# KiCad board GPDI_ULX3S_panel.kicad_pcb (continued)
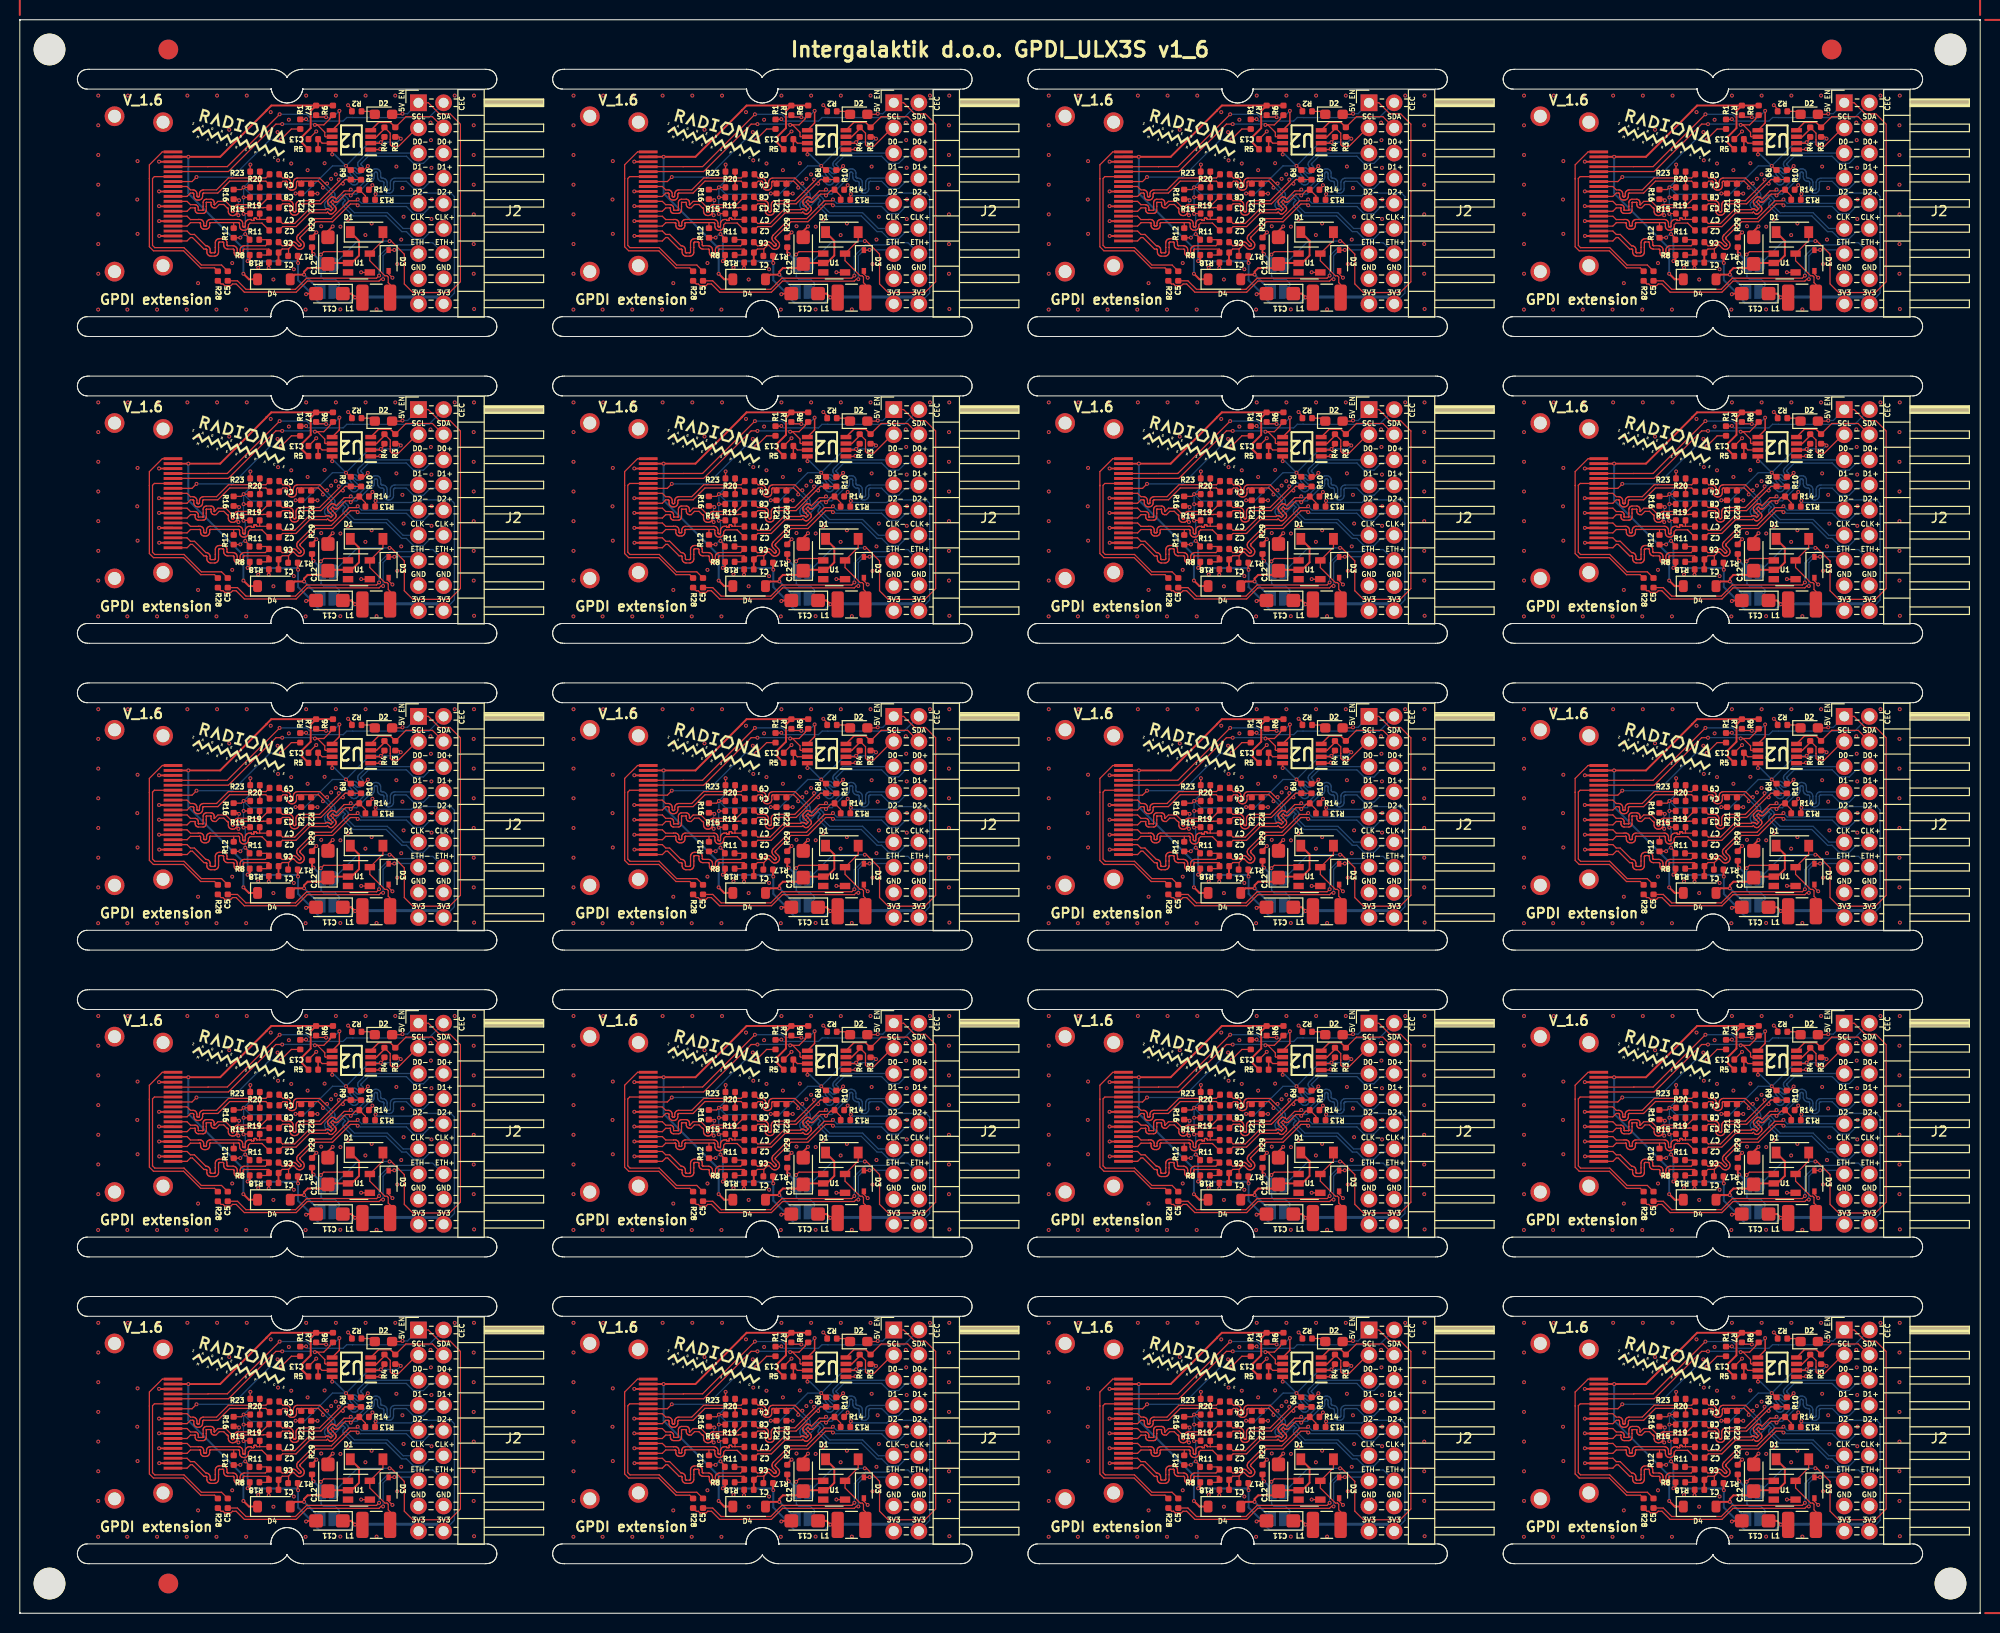
[diagram p0: board, top side]
## Routing (per net, layer and track width the routed paths; a pad name or vN(x,y) marks a point on that pad's centre or on a via; arc(x,y) is an arc through that point) (continued)
Board_13-GPDI_D0-: length 20.9
  Top w0.127: C8#10.1 74.53,49.72 75.18,49.72 75.28,49.71 75.37,49.68 75.45,49.63 75.52,49.56 75.57,49.48 75.6,49.39 75.61,49.29 75.61,48.72 75.62,48.69 75.63,48.66 75.64,48.63 75.66,48.61 75.69,48.59 75.72,48.58 75.75,48.58 75.78,48.58 75.81,48.59 75.84,48.61 75.86,48.63 75.88,48.66 75.89,48.69 75.89,48.72 75.89,49.29 75.9,49.39 75.94,49.48 75.99,49.56 76.06,49.63 76.14,49.68 76.23,49.71 76.33,49.72 78.27,49.72 80.22,51.67 v1(80.22,51.86)
  Bottom w0.127: J2#3.5 83.08,54.53 82.23,53.68 82.18,53.62 82.14,53.54 82.12,53.45 82.12,53.37 82.14,53.28 82.18,53.21 82.23,53.14 82.36,53.01 82.37,52.99 82.38,52.97 82.39,52.95 82.39,52.93 82.38,52.91 82.37,52.9 82.36,52.88 82.29,52.81 82.28,52.8 82.26,52.79 82.24,52.78 82.22,52.78 82.2,52.79 82.18,52.8 82.16,52.81 82.03,52.94 81.97,52.99 81.89,53.03 81.8,53.05 81.72,53.05 81.63,53.03 81.56,52.99 81.49,52.94 81.45,52.9 81.39,52.83 81.35,52.74 81.33,52.65 81.33,52.55 81.35,52.45 81.39,52.37 81.45,52.29 81.87,51.88 81.89,51.85 81.9,51.82 81.91,51.79 81.91,51.76 81.9,51.73 81.89,51.7 81.87,51.68 81.84,51.66 81.81,51.64 81.78,51.64 81.75,51.64 81.72,51.64 81.69,51.66 81.67,51.68 81.25,52.09 81.18,52.15 81.09,52.19 81,52.22 80.9,52.22 80.8,52.19 80.72,52.15 80.64,52.09 80.41,51.86 v1(80.22,51.86)
Board_13-GPDI_D1+: length 26.6
  Top w0.127: R13#7.2 82.91,50.21 R14#20.1 82.19,50.74 81.91,50.74 v1(81.42,50.25) 81.29,50.39 80.89,50.39 80.16,49.66 80.1,49.61 80.04,49.59 79.98,49.57 79.91,49.57 79.85,49.59 79.79,49.61 79.73,49.66 79.61,49.78 79.41,49.58 79.63,49.36 79.62,49.35 79.86,49.11 79.9,49.06 79.93,48.99 79.95,48.93 79.95,48.86 79.93,48.8 79.9,48.74 79.86,48.68 79.63,48.46 79.58,48.42 79.52,48.39 79.46,48.37 79.39,48.37 79.32,48.39 79.26,48.42 79.21,48.46 79.08,48.58 78.99,48.49 77.29,48.49 75.9,47.1 74.54,47.1 C2#15.1
  Bottom w0.127: v1(81.42,50.25) 81.56,50.39 82.03,50.39 83.31,51.68 83.34,51.68 83.44,51.69 83.54,51.72 83.62,51.78 83.7,51.85 83.75,51.93 83.78,52.03 83.8,52.13 83.8,52.45 83.8,52.49 83.81,52.53 83.83,52.56 83.86,52.58 83.89,52.6 83.92,52.62 83.96,52.62 84,52.62 84.03,52.6 84.06,52.58 84.09,52.56 84.11,52.53 84.12,52.49 84.13,52.45 84.13,52.13 84.14,52.03 84.17,51.93 84.23,51.85 84.3,51.78 84.38,51.72 84.48,51.69 84.58,51.68 84.61,51.68 84.65,51.67 84.68,51.66 84.71,51.64 84.74,51.61 84.76,51.58 84.77,51.55 84.78,51.51 84.78,50.94 84.79,50.84 84.82,50.74 84.88,50.65 84.95,50.58 85.03,50.53 85.13,50.49 85.23,50.48 85.29,50.48 85.39,50.49 85.49,50.53 85.57,50.58 85.65,50.65 85.7,50.74 85.73,50.84 85.75,50.94 85.75,51.51 85.75,51.55 85.76,51.58 85.78,51.61 85.81,51.64 85.84,51.66 85.87,51.67 85.91,51.68 87.04,51.68 87.76,50.95 88.76,50.95 89.48,51.68 90.48,51.68 J2#3.8
Board_13-GPDI_D1-: length 21
  Top w0.127: v1(81.42,50.85) 81.29,50.71 80.76,50.71 79.94,49.89 79.82,50.02 79.77,50.06 79.71,50.09 79.64,50.11 79.57,50.11 79.51,50.09 79.45,50.06 79.39,50.02 79.17,49.79 79.13,49.74 79.1,49.68 79.08,49.62 79.08,49.55 79.1,49.48 79.13,49.42 79.17,49.37 79.41,49.13 79.4,49.12 79.62,48.9 79.42,48.7 79.3,48.82 79.24,48.86 79.18,48.89 79.12,48.91 79.05,48.91 78.98,48.89 78.92,48.86 78.87,48.82 78.86,48.81 77.16,48.81 75.77,47.42 74.54,47.42 C7#14.1
  Bottom w0.127: J2#3.7 85.88,52 85.78,51.98 85.68,51.95 85.6,51.9 85.53,51.82 85.47,51.74 85.44,51.64 85.43,51.54 85.43,50.97 85.42,50.93 85.41,50.89 85.39,50.86 85.36,50.84 85.33,50.82 85.3,50.8 85.26,50.8 85.22,50.8 85.19,50.82 85.16,50.84 85.13,50.86 85.11,50.89 85.1,50.93 85.1,50.97 85.1,51.54 85.08,51.64 85.05,51.74 85,51.82 84.92,51.9 84.84,51.95 84.74,51.98 84.64,52 84.61,52 84.57,52 84.54,52.01 84.51,52.03 84.48,52.06 84.46,52.09 84.45,52.12 84.45,52.16 84.45,52.48 84.43,52.58 84.4,52.68 84.35,52.77 84.27,52.84 84.19,52.89 84.09,52.93 83.99,52.94 83.93,52.94 83.83,52.93 83.73,52.89 83.65,52.84 83.58,52.77 83.52,52.68 83.49,52.58 83.48,52.48 83.48,52.16 83.47,52.12 83.46,52.09 83.44,52.06 83.41,52.03 83.38,52.01 83.35,52 83.31,52 83.18,52 81.89,50.71 81.56,50.71 v1(81.42,50.85)
Board_13-GPDI_D2+: length 22.7
  Top w0.127: 75.14,44.84 75.49,45.19 75.51,45.21 75.54,45.22 75.57,45.23 75.6,45.23 75.63,45.22 75.66,45.21 75.69,45.19 75.96,44.92 76.03,44.86 76.12,44.82 76.21,44.79 76.31,44.79 76.4,44.82 76.49,44.86 76.57,44.92 76.6,44.96 76.67,45.03 76.71,45.12 76.73,45.21 76.73,45.31 76.71,45.41 76.67,45.49 76.6,45.57 76.34,45.84 76.32,45.86 76.3,45.89 76.3,45.92 76.3,45.95 76.3,45.98 76.32,46.01 76.34,46.04 77.89,47.59 79.59,47.59 81.39,49.39 81.99,49.39 v1(82.12,49.25) ; 75.14,44.84 75.14,44.19 R17#11.2 ; 75.14,44.84 74.5,44.84 C1#19.1
  Top w0.2: R18#13.1 74.13,44.47 C1#19.1
  Bottom w0.127: v1(82.12,49.25) 82.27,49.25 82.38,49.14 87.04,49.14 87.76,48.41 88.76,48.41 89.48,49.14 90.48,49.14 J2#3.10
Board_13-GPDI_D2-: length 17.8
  Top w0.127: C6#13.1 74.5,45.16 75.01,45.16 75.28,45.43 75.36,45.49 75.44,45.53 75.54,45.56 75.64,45.56 75.73,45.53 75.82,45.49 75.89,45.43 76.16,45.16 76.19,45.14 76.21,45.13 76.25,45.12 76.28,45.12 76.31,45.13 76.34,45.14 76.36,45.16 76.38,45.19 76.39,45.22 76.4,45.25 76.4,45.28 76.39,45.31 76.38,45.34 76.36,45.36 76.09,45.63 76.03,45.71 75.99,45.79 75.97,45.89 75.97,45.98 75.99,46.08 76.03,46.17 76.09,46.24 77.76,47.91 79.46,47.91 81.26,49.71 81.99,49.71 v1(82.12,49.85)
  Bottom w0.127: v1(82.12,49.85) 82.52,49.46 J2#3.9
Board_13-GPDI_ETH+: length 25.7
  Top w0.127: C5#4.1 69.98,41.62 70.84,40.77 75.84,40.77 76.97,41.89 84.03,41.89 v1(84.29,42.15)
  Bottom w0.127: J2#3.14 89.71,45.47 87.87,45.47 87.65,45.25 85.41,45.25 84.29,44.13 v1(84.29,42.15)
Board_13-GPDI_ETH-: length 24.8
  Top w0.127: v1(85.82,44.75) 85.8,44.72 85.25,44.72 ; v1(84.69,41.79) 84.48,41.79 84.29,41.6 77.03,41.6 75.91,40.48 70.68,40.48 69.85,41.31 69.48,41.31 69.31,41.14 68.69,41.14 68.52,41.31 68.32,41.31 R28#5.2
  Bottom w0.127: v1(84.69,41.79) 84.69,41.79 84.69,44.16 85.27,44.75 v1(85.82,44.75) 87.89,44.75 J2#3.13
Board_13-GPDI_SCL: length 21.1
  Top w0.127: v1(74.5,57.46) 73.86,57.46 69.07,52.67 63.48,52.67 P1#7.15 ; R6#19.2 79.32,58.06 79.32,58 78.7,57.38 v1(77.8,57.38) 78.05,57.38 78.8,56.63 78.8,56.25 78.87,56.18 U2#6.6
  Bottom w0.127: v1(77.8,57.38) 77.71,57.47 74.51,57.47 v1(74.5,57.46)
Board_13-GPDI_SDA: length 22.8
  Top w0.127: R7#4.2 78.11,58.18 78.91,58.18 v1(78.93,58.16) ; v1(74.24,58.45) 68.96,53.17 67.02,53.17 67.01,53.15 P1#7.16
  Top w0.15: v1(80.28,58.8) 80.28,57.57 U2#6.5
  Bottom w0.127: v1(80.28,58.8) 79.58,58.1 78.99,58.1 v1(78.93,58.16) 78.92,58.17 77.25,58.17 76.97,58.45 v1(74.24,58.45)
Board_13-Net-(D1-A): length 8.1
  Top w0.127: D1#7.2 84.67,45.7 U1#20.5 83.35,43.66 84.87,42.13 85.08,42.13 85.21,42.01 85.21,41.44 85.4,41.25 L1#4.2
Board_13-Net-(D1-K): length 13.2
  Top w0.2: D1#7.1 82.26,45.66 82.26,44.18 81.51,43.43 U1#20.2 79.22,43.43 C12#3.1 78.7,42.91 77.07,42.91 76.71,42.55 v1(76.71,42.25) 75.78,42.25 D4#6.2
  Bottom w0.2: v1(76.71,42.25) 78.37,40.59 JP2#8.1
Board_13-Net-(D2-K): length 1.5
  Top w0.127: R2#4.1 83.55,58.75 D2#8.1
Board_13-Net-(U2-VREF2): length 2.6
  Top w0.127: U2#6.7 78.53,55.53 C13#19.1
  Top w0.15: R5#14.2 C13#19.1
Board_13-PMOD_SCL: length 8.1
  Top w0.127: 87.88,56.69 J2#3.3 88.11,57.07 86.25,55.21 85.59,55.21 85.41,55.38 85.41,55.88 85.41,55.88 85.41,56.55 R4#5.2
  Top w0.15: U2#6.3 84.03,56.18 84.82,56.98 R4#5.2
Board_13-PMOD_SDA: length 8.8
  Top w0.127: J2#3.4 89.67,58.21 87,58.21 R3#4.2
  Top w0.15: R3#4.2 85.43,57.63 84.24,57.63 U2#6.4
Board_14-5V_ENABLE: length 54.8
  Top w0.127: v1(133.34,45.64) 133.51,45.64 134.83,44.32 134.83,41.31 135.7,40.44 139.41,40.44 140.5,41.53 140.5,57.45 139.46,58.49 138.39,58.49 137.26,59.62 J2#11.1 135.8,59.15 ; D2#18.2 134.59,58.45 v1(134.65,58.51) ; v1(126.41,44.28) 126.7,44.57 128.95,44.57 U1#15.1
  Top w0.2: v1(125.66,44.33) 125.51,44.48 R29.1
  Bottom w0.127: JP1#19.1 130.12,45.64 v1(133.34,45.64) ; JP2#9.2 128.26,41.13 128.26,41.39 127.86,41.79 126.68,41.79 126.44,42.03 126.43,42.03 126.43,43.25 JP1#19.2 126.42,44 126.41,44.01 v1(126.41,44.28) ; v1(134.65,58.51) 135.16,58.51 J2#11.1
  Bottom w0.2: JP1#19.2 126.42,43.57 v1(125.66,44.33)
  Bottom w0.5: JP1#19.2 JP1#19.1
Board_14-+3V3: length 87.4
  Top w0.127: R11#18.1 119.21,45.91 v1(118.77,46.35) ; v1(131.93,50.38) 131.88,50.33 R13#5.1 ; v1(134.47,55.99) 134.3,56.16 R3#3.1 ; v1(118.27,45.99) 118.26,45.97 R12#8.1 ; R20#19.1 v1(118.6,51.07) 118.38,50.85 R16#7.1 ; v1(119.29,53.37) 119.27,53.35 R23#16.1 ; v1(118.59,48.39) 118.62,48.42 R15#8.1 ; R9#19.1 129.36,52.82 v1(128.94,53.24) ; v1(132.47,55.63) 132.82,55.99 R4#11.1 ; v1(123.85,50.45) R21#5.1 ; R19#8.1 v1(118.6,50.06) ; v1(129.86,39.95) 129.88,39.93 L1#17.1
  Top w0.15: v1(127.55,54.4) 127.54,54.41 U2#13.8 ; U2#13.2 132.37,55.53 v1(132.47,55.63)
  Top w0.2: v1(129.86,39.95) 129.48,40.33 C11#16.1 ; R8#20.1 119.23,43.84 v1(119.01,43.62) ; v1(124.1,43.43) 124.07,43.46 R17#9.1
  Bottom w0.127: J2#11.18 139.89,40.38 139.89,50.14 139.54,50.5 135.83,50.5 135.56,50.23 132.08,50.23 v1(131.93,50.38) ; v1(118.6,51.07) 119.3,50.37 123.77,50.37 v1(123.85,50.45) 124.79,50.45 127.58,53.24 v1(128.94,53.24) 131.34,55.63 v1(132.47,55.63) 134.12,55.63 v1(134.47,55.99) ; v1(118.6,51.07) v1(118.6,50.06) 118.59,50.05 v1(118.59,48.39) 118.77,48.22 v1(118.77,46.35) 118.63,46.35 v1(118.27,45.99) ; v1(118.6,51.07) 119.29,51.75 v1(119.29,53.37)
  Bottom w0.15: v1(128.94,53.24) 127.78,54.4 v1(127.55,54.4)
  Bottom w0.2: v1(129.86,39.95) 129.32,39.41 126.24,39.41 125.65,40 125.65,40.14 124.1,41.68 v1(124.1,43.43) 123.93,43.6 119.03,43.6 v1(119.01,43.62) 119.01,46.11 v1(118.77,46.35)
  Bottom w0.3: J2#11.18 138.11,39.99 129.9,39.99 v1(129.86,39.95)
Board_14-+5V: length 39.3
  Top w0.2: v1(118.58,42.34) 119.14,41.78 D4#20.1 ; R7#9.1 121.4,59.34 120.92,58.85 120.92,58.83 116.24,54.15 v1(113.02,54.15) P1#19.18 ; R7#9.1 125.38,58.79 125.38,57.06 124.53,56.2 124.53,55.55 R5#6.1 ; R7#9.1 R6#2.1
  Bottom w0.2: v1(118.58,42.34) 118.58,44.9 113.02,50.46 v1(113.02,54.15)
Board_14-/CEC: length 15.1
  Top w0.127: v1(122.37,55.91) 123.43,56.97 R1#16.1 ; v1(113.85,52.11) 113.39,51.65 P1#19.13
  Bottom w0.127: v1(122.37,55.91) 121.28,55.91 117.47,52.11 v1(113.85,52.11)
Board_14-/CLK+: length 12.1
  Top w0.127: P1#19.10 112.89,50.15 113.24,50.5 113.45,50.5 113.48,50.49 113.51,50.48 113.53,50.47 113.55,50.45 113.56,50.43 113.57,50.4 113.57,50.38 113.57,50.19 113.58,50.1 113.61,50.02 113.66,49.94 113.73,49.87 113.8,49.82 113.89,49.79 113.98,49.78 114.05,49.78 114.14,49.79 114.23,49.82 114.31,49.87 114.37,49.94 114.42,50.02 114.45,50.1 114.46,50.19 114.46,50.38 114.47,50.4 114.48,50.43 114.49,50.45 114.51,50.47 114.53,50.48 114.55,50.49 114.58,50.5 116,50.5 117.2,51.7 120.85,51.7 C4#15.2
  Top w0.15: R20#19.2 120.24,51.66
Board_14-/CLK-: length 12.2
  Top w0.127: 120.26,52.02 117.07,52.02 115.87,50.81 114.56,50.81 114.46,50.8 114.38,50.77 114.3,50.72 114.23,50.66 114.19,50.58 114.15,50.49 114.14,50.4 114.14,50.22 114.14,50.19 114.13,50.17 114.12,50.15 114.1,50.13 114.08,50.11 114.05,50.1 114.03,50.1 114.01,50.1 113.98,50.1 113.96,50.11 113.93,50.13 113.92,50.15 113.9,50.17 113.89,50.19 113.89,50.22 113.89,50.4 113.88,50.49 113.85,50.58 113.8,50.66 113.74,50.72 113.66,50.77 113.57,50.8 113.48,50.81 113.24,50.81 112.89,51.15 P1#19.12 ; 120.26,52.02 120.24,52.03 R23#16.2 ; 120.26,52.02 120.85,52.02 C9#7.2
Board_14-/D0+: length 15.7
  Top w0.127: C3#10.2 120.59,49.03 120.57,49.01 118.66,49.01 118.63,49 118.6,48.99 118.58,48.98 118.56,48.96 118.54,48.93 118.53,48.91 118.53,48.88 118.53,48.87 118.53,48.84 118.52,48.82 118.5,48.79 118.48,48.77 118.46,48.76 118.43,48.75 118.4,48.75 118.37,48.75 118.35,48.76 118.32,48.77 118.3,48.79 118.29,48.82 118.28,48.84 118.28,48.87 118.28,48.88 118.27,48.91 118.26,48.93 118.25,48.96 118.23,48.98 118.2,48.99 118.18,49 118.15,49.01 118.08,49.01 118.05,49 118.02,48.99 118,48.98 117.98,48.96 117.96,48.93 117.95,48.91 117.95,48.88 117.95,48.64 117.94,48.55 117.91,48.46 117.86,48.38 ; 117.86,48.38 117.79,48.31 117.71,48.26 117.62,48.23 117.53,48.22 117.48,48.22 117.38,48.23 117.3,48.26 117.22,48.31 117.15,48.38 117.1,48.46 117.07,48.55 117.06,48.64 117.06,48.88 117.05,48.91 117.04,48.93 117.03,48.96 117.01,48.98 116.99,48.99 116.96,49 116.93,49.01 116.6,49.34 116.14,49.34 115.8,49 115.65,49 115.58,49 115.5,49.03 115.44,49.07 115.39,49.12 115.35,49.19 115.32,49.26 115.31,49.33 115.31,49.51 115.31,49.52 115.31,49.53 115.3,49.54 115.3,49.54 115.29,49.55 115.28,49.55 115.27,49.55 114.87,49.55 114.86,49.55 114.85,49.55 114.85,49.54 114.84,49.54 114.84,49.53 114.83,49.52 114.83,49.51 114.83,49.15 114.83,48.78 114.82,48.7 114.8,48.63 114.76,48.57 114.7,48.51 114.64,48.47 114.57,48.45 114.49,48.44 114.05,48.44 113.97,48.45 113.9,48.47 113.84,48.51 113.79,48.57 113.75,48.63 113.72,48.7 113.71,48.78 113.71,48.96 113.71,48.97 113.71,48.97 113.7,48.98 113.7,48.99 113.69,48.99 113.68,48.99 113.67,49 113.24,49 112.89,48.65 P1#19.7 ; 117.86,48.38 117.95,48.38 v1(118.08,48.25) ; R16#7.2 118.03,49.88 v1(118.15,49.76)
  Bottom w0.127: v1(118.08,48.25) 118.08,49.7 v1(118.15,49.76)
Board_14-/D0-: length 14.1
  Top w0.127: 121.13,50.06 C8#2.2 120.39,49.33 118.05,49.33 117.96,49.31 117.87,49.28 117.79,49.23 117.72,49.17 117.67,49.09 117.64,49 117.63,48.91 117.63,48.67 117.63,48.64 117.62,48.61 117.6,48.59 117.58,48.57 117.56,48.55 117.53,48.54 117.5,48.54 117.48,48.54 117.45,48.55 117.42,48.57 117.4,48.59 117.39,48.61 117.38,48.64 117.38,48.67 117.38,48.91 117.37,49 117.33,49.09 117.28,49.17 116.8,49.65 116.01,49.65 115.67,49.31 115.66,49.32 115.65,49.32 115.65,49.32 115.64,49.33 115.64,49.34 115.63,49.34 115.63,49.35 115.63,49.53 115.62,49.61 115.6,49.68 115.56,49.74 115.51,49.8 115.44,49.84 115.37,49.86 115.29,49.87 114.85,49.87 114.78,49.86 114.7,49.84 114.64,49.8 114.59,49.74 114.55,49.68 114.52,49.61 114.51,49.53 114.51,49.15 114.51,49.15 114.51,48.8 114.51,48.79 114.51,48.78 114.5,48.77 114.5,48.77 114.49,48.76 114.48,48.76 114.47,48.76 114.07,48.76 114.06,48.76 114.05,48.76 114.05,48.77 114.04,48.77 114.03,48.78 114.03,48.79 114.03,48.8 114.03,48.98 114.02,49.05 114,49.12 113.96,49.19 113.9,49.24 113.84,49.28 113.77,49.31 113.69,49.31 113.24,49.31 112.89,49.65 P1#19.9
  Top w0.15: R19#8.2 120.22,49.34 120.2,49.33
Board_14-/D1+: length 12.6
  Top w0.127: 117.6,46.94 117.6,47.49 ; C2.2 120.45,47.46 119.26,47.46 119.09,47.29 119.09,47.15 119.08,47.05 119.05,46.97 119,46.89 118.93,46.82 118.85,46.77 118.76,46.74 118.67,46.73 118.62,46.73 118.52,46.74 118.44,46.77 118.36,46.82 118.29,46.89 118.24,46.97 118.21,47.05 118.2,47.15 118.2,47.38 118.19,47.41 118.18,47.43 118.17,47.46 118.15,47.48 118.13,47.49 118.1,47.5 118.07,47.51 115.27,47.51 115.25,47.5 115.23,47.5 115.21,47.49 115.19,47.47 115.18,47.45 115.18,47.43 115.17,47.41 115.17,47.23 115.16,47.14 115.14,47.06 115.09,46.99 115.03,46.93 114.95,46.88 114.87,46.85 114.79,46.84 114.64,46.84 114.56,46.85 114.48,46.88 114.4,46.93 114.34,46.99 114.29,47.06 114.27,47.14 114.26,47.23 114.26,47.41 114.25,47.43 114.25,47.45 114.24,47.47 114.22,47.49 114.2,47.5 114.18,47.5 114.16,47.51 114.15,47.5 113.24,47.5 112.89,47.15 P1#19.4
Board_14-/D1-: length 12.8
  Top w0.127: 120.23,47.83 119.97,47.83 119.95,47.83 119.94,47.83 119.92,47.84 119.91,47.85 119.9,47.87 119.9,47.88 119.9,47.91 119.89,47.93 119.88,47.94 119.87,47.96 119.86,47.96 119.84,47.97 119.82,47.97 119.72,47.97 119.7,47.97 119.68,47.96 119.67,47.96 119.66,47.94 119.65,47.93 119.65,47.91 119.64,47.9 119.64,47.78 119.64,47.76 119.64,47.75 119.63,47.74 119.62,47.74 119.61,47.73 119.6,47.73 119.59,47.73 119.44,47.73 119.43,47.73 119.42,47.73 119.41,47.74 119.4,47.74 119.39,47.75 119.39,47.76 119.39,47.79 119.38,47.8 119.38,47.81 119.37,47.81 119.36,47.82 119.35,47.82 119.34,47.83 119.19,47.83 119.1,47.81 119.01,47.78 118.93,47.73 118.86,47.67 118.81,47.59 118.78,47.5 118.77,47.41 118.77,47.17 118.77,47.15 118.76,47.12 118.74,47.09 118.72,47.07 118.7,47.06 118.67,47.05 118.64,47.05 118.62,47.05 118.59,47.06 118.56,47.07 118.54,47.09 118.53,47.12 118.52,47.15 118.52,47.17 118.52,47.41 118.51,47.5 118.47,47.59 118.42,47.67 118.36,47.73 118.28,47.78 118.19,47.81 118.1,47.83 115.24,47.83 115.16,47.82 115.08,47.79 115,47.74 114.94,47.68 114.89,47.61 114.87,47.52 114.86,47.44 114.86,47.25 114.85,47.23 114.85,47.21 114.84,47.2 114.82,47.18 114.8,47.17 114.78,47.16 114.76,47.16 114.67,47.16 114.65,47.16 114.63,47.17 114.61,47.18 114.59,47.2 114.58,47.21 114.58,47.23 114.57,47.25 114.57,47.44 114.56,47.52 114.54,47.61 114.49,47.68 114.43,47.74 114.35,47.79 114.27,47.82 114.19,47.83 114.03,47.83 114.02,47.81 113.24,47.81 112.89,48.15 P1#19.6 ; 120.23,47.83 R15#8.2 ; 120.23,47.83 121.16,47.83 C7#10.2
Board_14-/D2+: length 15
  Top w0.127: P1#19.1 112.89,45.65 113.24,46 113.43,46 114.6,44.83 114.78,44.83 114.81,44.83 114.83,44.82 114.85,44.81 114.87,44.79 114.88,44.77 114.89,44.75 114.89,44.73 114.89,44.53 114.9,44.44 114.93,44.35 114.98,44.27 115.05,44.21 115.13,44.16 115.21,44.13 115.31,44.12 115.66,44.12 115.75,44.13 115.84,44.16 115.92,44.21 115.98,44.27 116.03,44.35 116.06,44.44 116.07,44.53 116.07,45 116.07,45 116.07,45.44 116.08,45.47 116.09,45.49 116.1,45.51 116.11,45.53 116.14,45.54 116.16,45.55 116.18,45.55 116.48,45.55 116.51,45.55 116.53,45.54 116.55,45.53 116.57,45.51 116.58,45.49 116.59,45.47 116.59,45.44 116.59,45.25 116.6,45.16 116.63,45.07 116.68,44.99 116.75,44.92 116.83,44.88 116.91,44.84 117.01,44.83 117.56,44.83 117.59,44.82 117.61,44.79 117.63,44.77 117.64,44.74 117.64,44.71 117.64,44.5 117.66,44.4 117.69,44.31 117.74,44.23 117.81,44.16 117.89,44.1 117.98,44.07 118.08,44.06 118.13,44.06 118.23,44.07 118.32,44.1 118.4,44.16 118.47,44.23 118.52,44.31 118.56,44.4 118.57,44.5 118.57,44.71 118.57,44.74 118.58,44.77 118.6,44.79 118.62,44.82 118.65,44.83 121.14,44.83 121.17,44.8 C1#8.2 120.92,44.23 R8#20.2
Board_14-/D2-: length 14.8
  Top w0.127: P1#19.3 112.89,46.65 113.24,46.31 113.63,46.31 114.78,45.17 114.81,45.17 114.9,45.16 114.99,45.13 115.07,45.08 115.13,45.01 115.18,44.93 115.21,44.84 115.22,44.75 115.22,44.56 115.23,44.54 115.23,44.51 115.25,44.49 115.26,44.48 115.28,44.46 115.31,44.45 115.33,44.45 115.63,44.45 115.66,44.45 115.68,44.46 115.7,44.48 115.72,44.49 115.73,44.51 115.74,44.54 115.74,44.56 115.74,45 115.74,45.47 115.75,45.56 115.78,45.65 115.83,45.73 115.9,45.79 115.98,45.84 116.06,45.87 116.16,45.88 116.51,45.88 116.6,45.87 116.69,45.84 116.77,45.79 116.83,45.73 116.88,45.65 116.91,45.56 116.92,45.47 116.92,45.27 116.93,45.25 116.94,45.23 116.95,45.21 116.96,45.19 116.99,45.18 117.01,45.17 117.03,45.17 117.53,45.17 117.63,45.16 117.72,45.12 117.8,45.07 117.87,45 117.92,44.92 117.95,44.83 117.96,44.73 117.96,44.52 117.97,44.49 117.98,44.46 117.99,44.43 118.02,44.41 118.04,44.39 118.07,44.38 118.11,44.38 118.14,44.38 118.17,44.39 118.19,44.41 118.22,44.43 118.23,44.46 118.24,44.49 118.25,44.52 118.25,44.73 118.26,44.83 118.29,44.92 118.34,45 118.41,45.07 118.49,45.12 118.59,45.16 118.68,45.17 120.8,45.17 C6#7.2 120.91,45.78 R11#18.2
Board_14-/ETH+: length 17.6
  Top w0.127: P1#19.14 109.59,52.15 109.4,51.97 109.4,45.2 109.63,44.98 112.58,44.98 114.34,43.22 116.38,43.22 C5#3.2
Board_14-/ETH-: length 19.2
  Top w0.127: 109.09,51.93 109.09,53.35 110.39,54.65 P1#19.19 ; 109.09,51.93 109.09,45.07 109.5,44.66 112.54,44.66 114.27,42.93 115.67,42.93 R28#4.1 ; 109.09,51.93 109.09,51.97
Board_14-GND: length 17.5
  Top w0.127: v1(133.63,41.94) 133.25,42.32 D3#8.2 ; v1(131.15,53.22) 130.75,52.82 R10#3.2 ; R22#2.2 126.07,50.44 v1(126.07,50.44) ; C13#13.2 125.94,56.72 v1(125.94,56.72) ; v1(131.61,51.29) 131.61,51.19 R14#13.2 ; v1(130.47,42.49) 130.49,42.47 U1#15.4 ; v1(129.15,59.37) 129.54,58.98 R2#13.2
  Top w0.15: U2#13.1 132.35,54.88 v1(132.4,54.94)
  Top w0.2: R29.2 125.51,46.08 v1(125.95,46.52) ; v1(110.06,53.67) 110.07,53.65 P1#19.17 ; C11#16.2 124.97,40.33 v1(124.91,40.27) ; C12#8.2 127.12,46.64 v1(127.6,47.12) ; P1#19.11 110.07,50.65 v1(110.06,50.66) ; v1(110.06,49.18) 110.08,49.15 P1#19.8 ; v1(110.07,47.66) 110.08,47.65 P1#19.5 ; P1#19.2 110.08,46.15 v1(110.08,46.16) ; R18#5.2 121.16,42.94 v1(121.14,42.93)
  In1.Cu w0.5: 136.38,41.72 J2#11.15
  vias: v1(103.92,60.34) v1(103.92,57.34) v1(103.92,54.34) v1(103.92,51.34) v1(103.92,48.34) v1(103.92,45.34) v1(103.92,42.34) v1(103.91,38.72) v1(106.92,60.34) v1(106.86,38.72) v1(107.89,53.72) v1(107.86,49.84) v1(107.89,46.37) v1(109.92,60.34) v1(109.86,38.72) v1(112.92,60.34) v1(112.86,38.72) v1(114.02,56.97) v1(114,41.39) v1(115.92,60.34) v1(115.86,38.72) v1(117.15,56.89) v1(117.45,43.42) v1(118.92,60.34) v1(118.86,38.72) v1(120.08,42.94) v1(121.34,58.67) v1(121.61,41.76) v1(122.03,56.65) v1(122.08,53.8) v1(123.17,57.9) v1(123.41,53.48) v1(123.68,42.79) v1(124.92,60.34) v1(124.86,38.72) v1(125.07,52.81) v1(126.44,47.14) v1(126.78,53.51) v1(127.44,51.93) v1(127.92,60.34) v1(127.91,52.38) v1(128.38,47.1) v1(128.37,38.74) v1(129.14,47.81) v1(130.92,60.34) v1(130.9,46.25) v1(131.53,47.42) v1(132.03,38.74) v1(133.92,60.34) v1(134.03,53.17) v1(134.12,43.32) v1(134.52,45.79) v1(134.64,51) v1(134.76,48.1) v1(137.48,57.61) v1(137.52,55.84) v1(137.57,53.05) v1(137.6,49.85) v1(137.58,47.87) v1(139.92,60.34) v1(141.84,57.34) v1(141.84,54.34) v1(141.84,51.34) v1(141.84,48.34) v1(141.84,45.34) v1(141.84,42.34) v1(141.87,60.34) v1(141.88,38.78)
Board_14-GPDI_CEC: length 15.3
  Top w0.127: v1(124.91,57.96) 124.89,57.94 R1#16.2
  Bottom w0.127: v1(124.91,57.96) 125.1,57.77 128.66,57.77 129.02,58.13 129.6,58.13 129.61,58.12 137.31,58.12 J2#11.2
Board_14-GPDI_CLK+: length 24.8
  Top w0.127: 124.44,51.69 124.42,51.67 R21#5.2 ; 124.44,51.69 124.09,51.69 124.06,51.69 124.03,51.68 124,51.66 123.98,51.64 123.96,51.61 123.95,51.58 123.95,51.55 123.95,51.22 123.94,51.12 123.9,51.03 123.85,50.95 123.78,50.88 123.7,50.83 123.61,50.8 123.51,50.79 123.46,50.79 123.36,50.8 123.27,50.83 123.19,50.88 123.12,50.95 123.07,51.03 123.04,51.12 123.03,51.22 123.03,51.55 123.02,51.58 123.01,51.61 123,51.64 122.97,51.66 122.95,51.68 122.92,51.69 122.89,51.69 122.57,51.69 C4#15.1 ; 124.44,51.69 125.43,51.69 ; v1(126.62,51.04) 126.62,51.23 126.16,51.69 125.43,51.69 ; R22#2.1 125.43,51.69
  Bottom w0.127: J2#11.12 138.48,46.6 137.48,46.6 136.76,45.87 135.76,45.87 135.04,46.6 134.58,46.6 132.99,48.19 129.66,48.19 128.73,49.12 128.68,49.18 128.65,49.25 128.63,49.32 128.63,49.39 128.65,49.47 128.68,49.53 128.73,49.59 128.85,49.72 128.86,49.72 128.86,49.73 128.86,49.74 128.86,49.75 128.86,49.75 128.86,49.76 128.85,49.77 128.67,49.95 128.66,49.96 128.65,49.96 128.65,49.96 128.64,49.96 128.63,49.96 128.63,49.96 128.62,49.95 127.59,48.93 127.51,48.86 127.42,48.82 127.32,48.8 127.22,48.8 127.12,48.82 127.03,48.86 126.95,48.93 126.91,48.97 126.85,49.05 126.8,49.14 126.78,49.24 126.78,49.34 126.8,49.44 126.85,49.53 126.91,49.61 127.46,50.16 127.48,50.19 127.49,50.22 127.5,50.26 127.5,50.29 127.49,50.33 127.48,50.36 127.46,50.39 126.81,51.04 v1(126.62,51.04)
Board_14-GPDI_CLK-: length 21
  Top w0.127: C9#7.1 122.57,52.01 122.91,52.01 123.01,52 123.1,51.97 123.18,51.92 123.25,51.85 123.3,51.77 123.34,51.68 123.35,51.58 123.35,51.25 123.35,51.21 123.36,51.18 123.38,51.16 123.4,51.14 123.43,51.12 123.46,51.11 123.49,51.1 123.52,51.11 123.55,51.12 123.57,51.14 123.6,51.16 123.61,51.18 123.62,51.21 123.63,51.25 123.63,51.58 123.64,51.68 123.67,51.77 123.72,51.85 123.79,51.92 123.87,51.97 123.96,52 124.06,52.01 126.29,52.01 126.84,51.46 v1(127.03,51.46)
  Bottom w0.127: v1(127.03,51.46) 127.03,51.27 127.7,50.6 127.76,50.52 127.81,50.43 127.83,50.33 127.83,50.23 127.81,50.13 127.76,50.03 127.7,49.95 127.15,49.41 127.13,49.38 127.12,49.34 127.11,49.31 127.11,49.27 127.12,49.24 127.13,49.2 127.15,49.17 127.18,49.15 127.22,49.13 127.25,49.13 127.29,49.13 127.33,49.13 127.36,49.15 127.39,49.17 128.41,50.19 128.47,50.24 128.53,50.27 128.61,50.29 128.68,50.29 128.75,50.27 128.82,50.24 128.88,50.19 129.09,49.98 129.14,49.92 129.17,49.85 129.19,49.78 129.19,49.71 129.17,49.63 129.14,49.57 129.09,49.51 128.97,49.38 128.96,49.37 128.96,49.37 128.96,49.36 128.96,49.35 128.96,49.35 128.96,49.34 128.97,49.33 129.79,48.51 133.12,48.51 134.71,46.91 J2#11.11
Board_14-GPDI_D0+: length 26.3
  Top w0.127: R10#3.1 130.46,51.85 R9#19.2 128.86,51.85 128.63,51.63 v1(128.63,51.44) 128.44,51.44 126.4,49.4 124.35,49.4 124.32,49.4 124.29,49.39 124.26,49.37 124.24,49.35 124.23,49.32 124.22,49.29 124.21,49.26 124.21,48.69 124.2,48.59 124.17,48.5 124.12,48.42 124.05,48.35 123.97,48.3 123.88,48.27 123.78,48.26 123.73,48.26 123.63,48.27 123.54,48.3 123.46,48.35 123.39,48.42 123.34,48.5 123.3,48.59 123.29,48.69 123.29,49.26 123.29,49.29 123.28,49.32 123.26,49.35 123.24,49.37 123.21,49.39 123.18,49.4 123.15,49.4 122.53,49.4 C3#10.1
  Bottom w0.127: J2#11.6 138.48,54.22 137.48,54.22 136.76,53.49 135.76,53.49 135.04,54.22 131.22,54.22 130.47,53.47 130.46,53.46 130.45,53.44 130.45,53.42 130.45,53.4 130.45,53.38 130.46,53.36 130.47,53.35 130.6,53.22 130.66,53.15 130.7,53.07 130.71,52.99 130.71,52.9 130.7,52.82 130.66,52.74 130.6,52.67 130.5,52.57 130.43,52.51 130.35,52.48 130.27,52.46 130.18,52.46 130.1,52.48 130.02,52.51 129.95,52.57 129.82,52.7 129.81,52.71 129.79,52.72 129.77,52.72 129.75,52.72 129.73,52.72 129.71,52.71 129.7,52.7 129.68,52.67 129.66,52.64 129.66,52.61 129.66,52.58 129.66,52.55 129.68,52.52 129.7,52.5 130.11,52.08 130.17,52.01 130.21,51.92 130.24,51.83 130.24,51.73 130.21,51.63 130.17,51.55 130.11,51.47 130.07,51.43 130,51.37 129.91,51.33 129.82,51.31 129.72,51.31 129.62,51.33 129.54,51.37 129.46,51.43 129.05,51.85 129.02,51.87 128.99,51.88 128.96,51.89 128.93,51.89 128.9,51.88 128.87,51.87 128.85,51.85 128.63,51.63 v1(128.63,51.44)